# KiCad board Turbo_XT_Mainboard R3.kicad_pcb (continued)
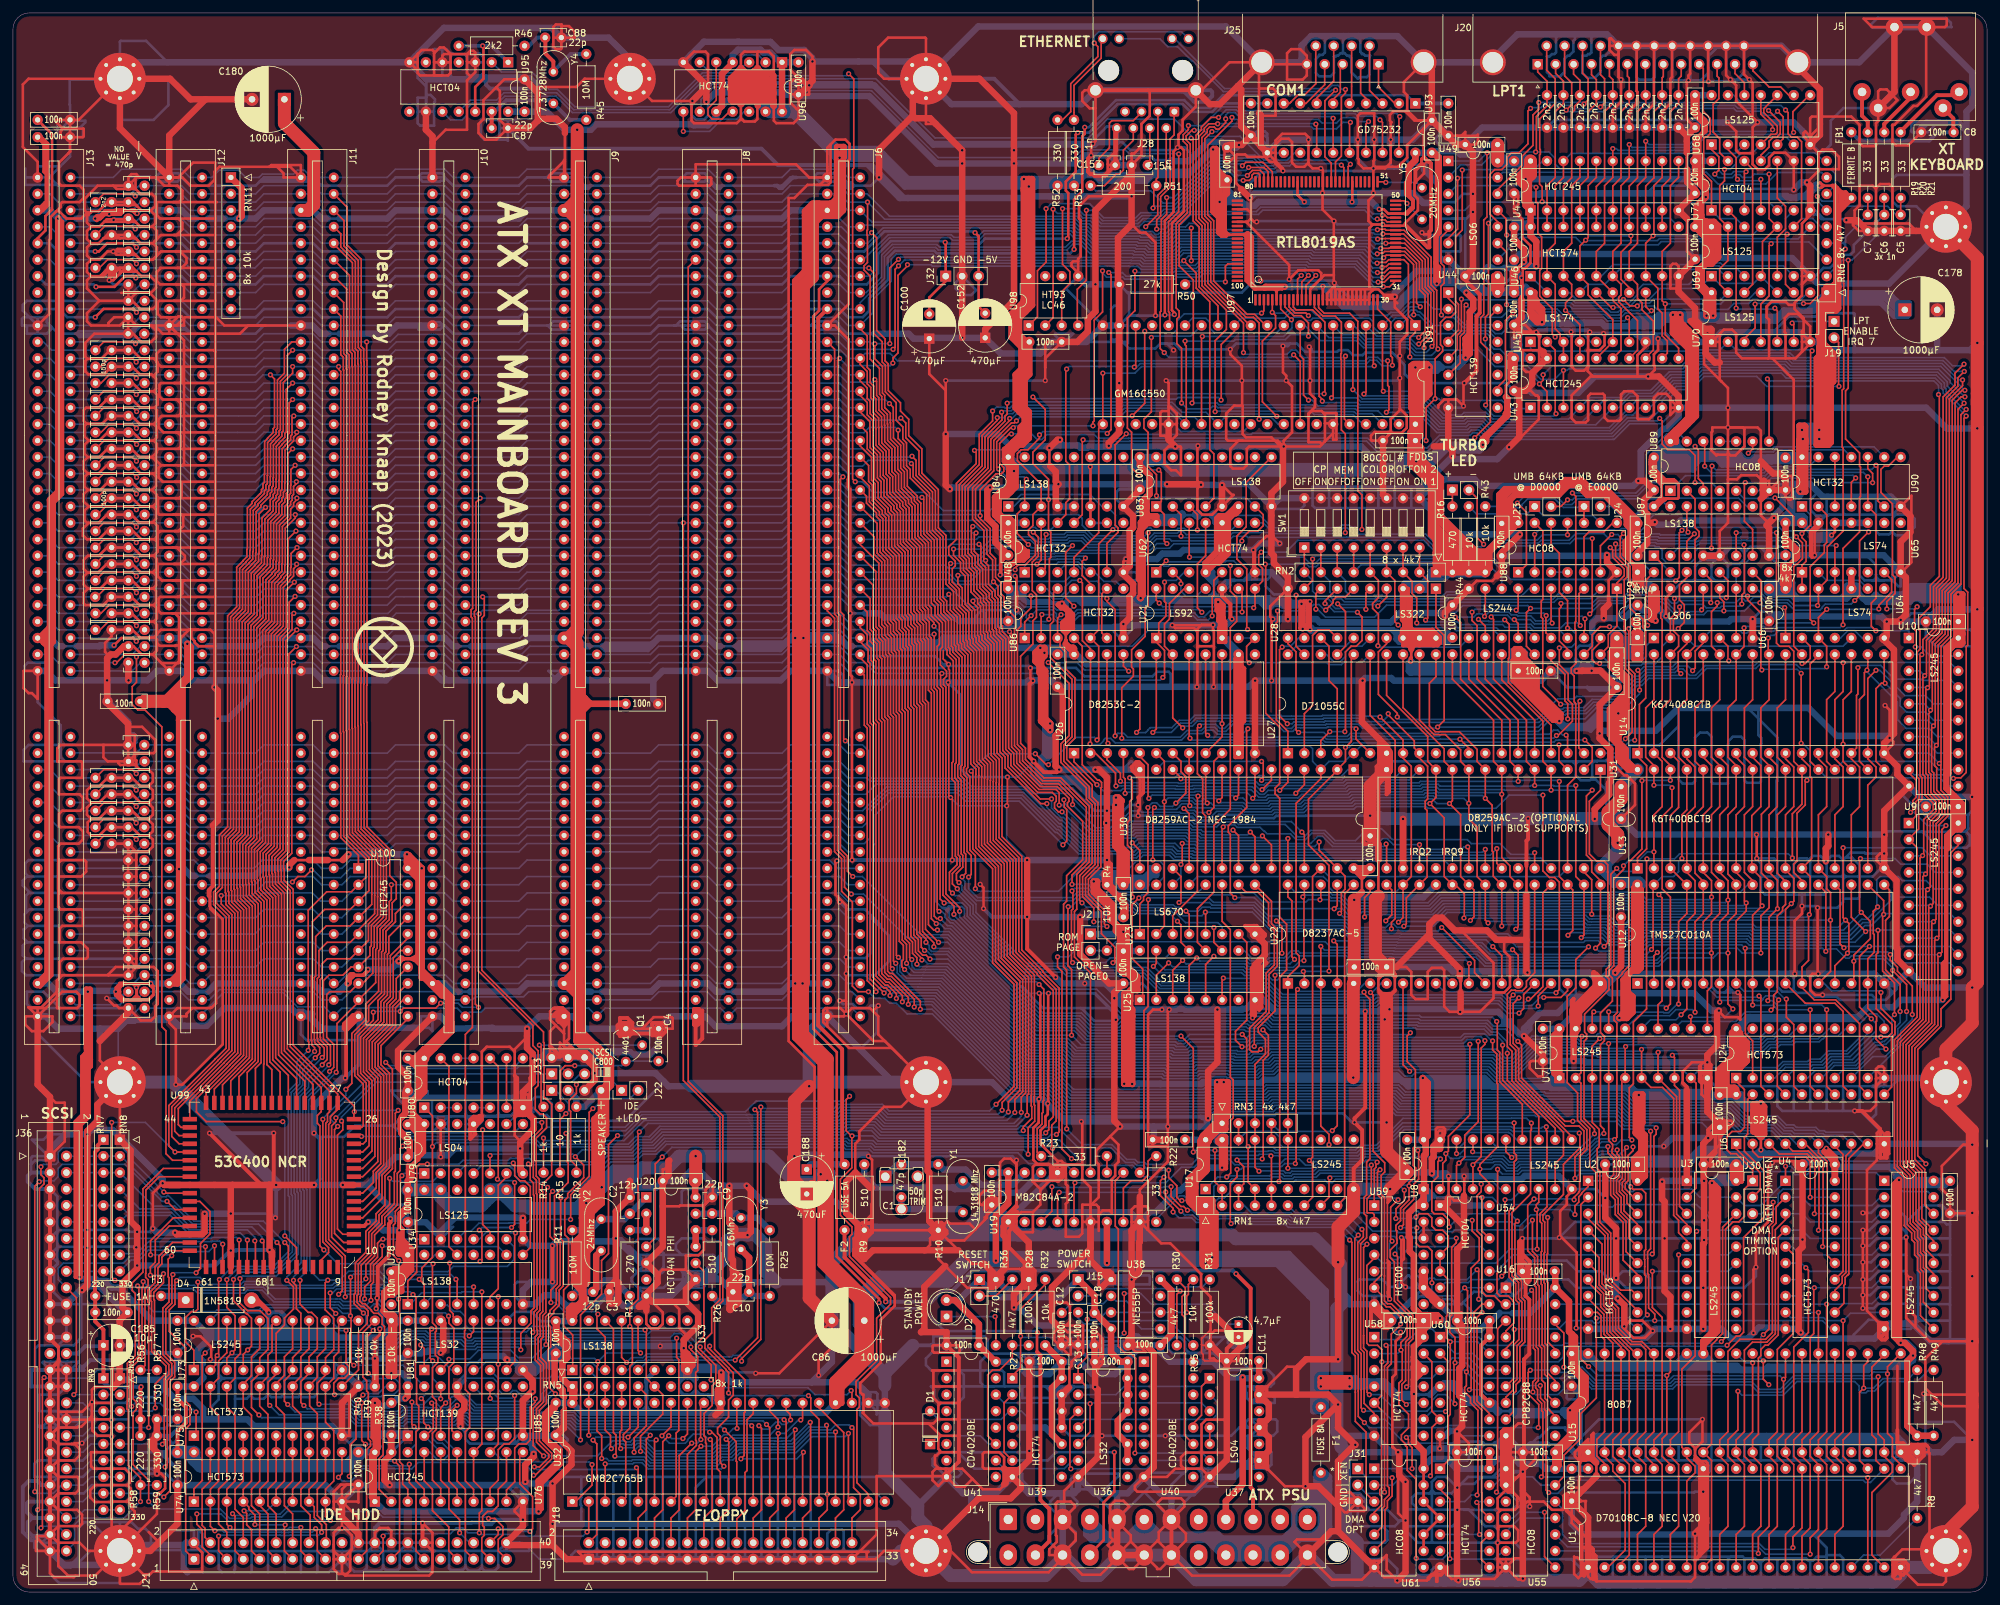
[diagram p0: board, top side]
## Routing (per net, layer and track width the routed paths; a pad name or vN(x,y) marks a point on that pad's centre or on a via; arc(x,y) is an arc through that point) (continued)
  Top w1: v1(151.76,51.18) 151.76,58.11 153.67,60.01 U19.18 ; 224.93,191.28 224.93,196.23 ; 224.93,191.28 v1(224.28,190.63) 224.28,192.63 ; 224.93,191.28 224.93,193.28 ; 224.93,196.23 224.93,194.04 ; 224.93,196.23 224.93,197.65 225.47,198.18 225.47,199.6 v1(224.41,200.66) ; 154.69,162.05 155.7,161.04 155.7,160.27 155.19,159.77 ; 154.69,162.05 155.19,161.54 ; 154.69,162.05 153.67,163.07 C92.1 153.61,165.1 152.17,166.54 152.17,167.49 ; U84.16 153.82,175.11 153.82,170.65 153.07,169.9 ; U84.16 153.67,175.01 154.11,174.56 ; U84.16 153.67,175.9 154.11,176.34 ; U84.16 153.67,174.88 154.81,173.74 154.81,170.69 153.92,169.8 ; U84.16 153.67,176.78 ; 185.19,51.59 v1(185.17,51.69) ; 185.19,51.59 185.19,59.69 ; 185.19,51.59 185.19,51.67 v1(185.17,51.69) ; v1(185.17,51.69) 185.19,50.4 ; C68.1 U58.14 ; C68.1 217.81,42.32 217.37,42.75 ; C68.1 220.34,41.91 ; U58.14 216.98,38.54 ; U58.14 217.81,40.5 219.21,41.91 220.34,41.91 ; 156.21,178.69 156.21,179.96 156.84,180.59 156.84,181.1 ; 156.21,178.69 156.21,178.44 155.32,177.55 ; 156.21,178.69 154.75,177.23 ; FB1.2 281.81,213.23 281.81,203.07 ; 218.14,68.79 218.14,69.51 U8.20 ; 218.14,68.79 218.14,70.19 218.44,70.49 ; 218.14,68.79 218.14,67.67 217.87,67.4 217.87,62.29 U8.1 217.81,60.71 ; v1(156.08,218.19) 156.08,216.41 ; v1(156.08,218.19) 156.84,217.42 v1(156.84,217.04) ; v1(156.08,218.19) 156.84,218.19 ; 156.08,216.41 156.08,199.52 ; 156.08,216.41 156.08,216.79 156.34,217.04 v1(156.84,217.04) ; 62.65,77.26 62.65,76.81 61.78,75.94 61.78,73 ; 231.77,189.48 231.77,190.75 C70.1 ; 231.77,189.48 C70.1 ; 231.77,189.48 231.77,187.96 231.27,187.45 231.27,189.1 ; 91.57,72.64 91.57,77.47 92.33,78.23 92.33,82.17 90.42,84.07 ; 91.57,72.64 91.57,70.74 ; 91.57,72.64 91.57,72.14 90.3,70.87 ; 154.75,177.23 154.56,177.04 154.56,176.78 ; 154.75,177.23 154.77,177.21 155.87,177.21 156.84,178.18 156.84,181.1 ; C72.1 281.31,66.29 280.95,66.65 280.95,66.8 279.73,68.02 279.98,68.28 279.98,68.32 ; C72.1 U4.20 281.31,67.06 ; C72.1 281.31,67.06 ; 256.73,177.61 256.67,177.67 U89.14 ; 256.73,177.61 255.97,177.61 U89.14 ; 256.73,177.61 256.73,178.5 ; 128.02,221.36 128.02,220.09 128,220.08 128,214.62 ; 128.02,221.36 128.02,221.49 ; 128.02,221.36 128.27,221.61 128.27,221.74 ; 128,214.62 126.75,213.36 J6.3 ; 128,214.62 128,214.24 126.62,212.85 ; 185.19,59.69 RN1.1 183.83,59.69 182.07,61.45 182.07,62.53 ; 185.19,59.69 185.19,60.43 185.07,60.55 182.07,60.55 182.07,59.87 184.15,57.79 ; 185.19,59.69 185.19,58.97 185.67,58.49 185.67,50.42 185.65,50.4 185.19,50.4 ; C73.1 187.45,216.03 186.94,215.52 186.94,209.93 ; C73.1 187.07,218.06 186.31,217.3 186.31,214.66 v1(186.31,214.66) 186.31,210.57 ; C73.1 185.29,220.22 v1(185.29,222.76) ; v1(51.69,93.98) 51.84,94.13 51.84,94.7 52.29,95.15 52.2,95.25 ; 263.14,57.02 263.26,57.14 263.26,62.23 262.82,62.67 ; 263.14,57.02 262.31,57.85 262.31,58.62 ; 263.14,57.02 263.14,41.78 ; 224.93,194.04 224.93,193.28 ; 224.93,194.04 224.77,194.04 224.28,193.55 224.28,192.63 ; 224.93,193.28 224.28,192.63 ; U89.14 255.78,177.67 255.46,177.99 255.46,178.12 256.79,179.45 ; U89.14 256.73,178.5 ; U89.14 255.9,178.56 256.79,179.45 ; 126.62,212.85 126.3,212.53 ; 126.62,212.85 125.09,212.85 124.59,213.36 126.11,213.36 126.62,212.85 ; C49.1 171.45,98.43 170.94,97.92 ; C49.1 170.94,99.49 170.94,100.2 ; C49.1 171.7,99.23 171.7,102.62 ; C49.1 171.45,97.41 ; C49.1 v1(171.45,101.96) 170.3,103.11 ; C49.1 171.96,99.49 171.96,100.33 ; C49.1 171.5,98.98 171.96,99.44 ; 124.46,214.38 123.44,214.38 122.3,213.23 122.3,212.6 ; 124.46,214.38 126.24,214.38 ; 124.46,214.38 124.08,214.38 122.3,212.6 ; 260.99,216.92 v1(259.71,218.2) C75.1 259.84,221.11 259.84,224.28 260.22,224.66 260.22,218.69 261.37,217.55 261.37,216.55 ; 260.99,216.92 261.22,216.7 261.22,215.26 260.66,214.7 ; 260.99,216.92 261.37,216.55 ; 172.21,90.93 172.21,90.54 172.81,89.94 172.81,88.93 ; 172.21,90.93 172.21,88.39 ; 172.21,90.93 172.21,91.44 ; v1(59.66,55.85) 59.66,54.64 60.07,54.23 ; 62.65,80.86 62.65,81.57 ; 62.65,80.86 62.1,81.41 62.1,82.42 ; 62.65,80.86 62.65,80.22 ; 62.65,81.57 U80.14 ; 62.65,81.57 61.81,81.57 C30.1 62.1,82.42 ; 61.78,73.81 61.78,71.92 62.47,71.23 ; 61.78,73.81 61.78,73 ; 61.78,73.81 61.78,73.82 ; 61.78,73.81 63.32,72.26 63.5,72.26 62.47,71.23 ; 60.58,48.89 59.94,48.26 59.94,46.48 59.18,46.48 ; 60.58,48.89 60.07,48.89 59.18,48.01 59.18,46.48 ; 60.58,48.89 61.47,49.78 61.47,52.96 60.2,54.23 60.07,54.23 ; 263.97,79.06 263.97,77.2 C44.1 ; 263.97,79.06 263.97,80.07 ; 263.97,79.06 263.97,78.8 265.94,76.84 U6.20 ; 22.73,137.54 23.62,137.54 24.13,137.03 ; 22.73,137.54 C183.1 ; 22.73,137.54 23.24,137.03 ; 232.41,170.31 231.39,170.31 230.25,169.16 230.25,165.4 C67.1 ; 232.41,170.31 238,170.31 238.12,170.18 239.65,171.7 242.19,171.7 243.59,170.31 246,170.31 250.82,165.48 C41.1 ; 232.41,170.31 230.38,170.31 229.49,169.42 229.49,162.31 229.55,162.24 ; U19.7 v1(168.91,50.8) ; v1(218.69,189.1) 218.19,188.59 218.19,184.53 ; v1(218.69,189.1) 218.69,189.23 218.31,189.61 ; v1(218.69,189.1) v1(216.53,189.1) U91.40 C71.1 ; v1(218.69,189.1) 218.31,189.48 218.31,189.61 ; v1(218.69,189.1) 218.69,185.04 218.19,184.53 ; v1(11.56,92.71) 11.43,92.58 11.43,83.95 11.68,83.69 11.56,83.57 11.53,81.63 11.53,73.44 10.29,72.2 v1(10.29,48.64) ; v1(256.29,197.23) 257.94,195.58 ; v1(256.29,197.23) 256.29,194.44 256.92,193.8 ; v1(256.29,197.23) v1(257.43,197.23) ; v1(256.29,197.23) 256.79,197.23 256.92,197.1 256.92,195.83 ; 257.94,195.58 257.94,193.68 257.49,193.23 ; 257.94,195.58 257.49,195.14 257.49,193.23 ; 257.94,195.58 258.68,194.84 ; 159.38,139.57 159.38,141.47 ; 159.38,139.57 159.38,140.08 158.75,140.71 158.75,141.73 ; 159.38,139.57 159.38,134.87 v1(160.15,134.11) ; 159.38,141.47 158.75,142.11 ; 159.38,141.47 159.38,142.24 158.75,142.87 ; 173.61,93.85 173.61,92.96 ; 173.61,93.85 172.21,92.46 172.21,91.44 ; 173.61,93.85 173.61,95 171.96,96.65 171.96,97.03 ; 173.61,92.96 172.65,92.96 ; 173.61,92.96 173.58,93 172.69,93 ; 86.99,90.81 86.99,93.34 ; 86.99,90.81 86.99,85.09 87.57,84.52 ; 86.99,90.81 86.99,92.07 J9.78 ; 86.99,93.34 87.19,93.15 ; 86.99,93.34 86.99,95.88 ; 88.65,62.61 89.15,63.12 ; 88.65,62.61 87.86,61.83 87.86,57.76 ; 88.65,62.61 88.65,58.29 88.9,58.04 ; 89.15,63.12 89.79,63.75 ; 89.15,63.12 89.15,59.94 89.6,59.5 ; 163.11,145.82 162.53,146.4 ; 163.11,145.82 163.68,145.82 163.83,145.67 U26.24 163.83,145.07 163.11,145.79 163.11,145.82 ; 191.2,202.25 191.13,202.31 191.13,209.17 190.63,209.68 ; 261.37,206.25 261.37,205.11 ; 261.37,206.25 261.37,205.25 260.85,204.73 ; 261.37,206.25 261.37,209.17 ; 261.37,205.11 260.22,203.96 ; 261.37,205.11 262.25,205.11 263.14,205.99 ; 261.37,205.11 261.37,205.23 262.25,206.12 U69.14 ; 280.67,186.56 280.29,186.18 ; 280.67,186.56 280.67,177.55 280.29,177.16 ; 280.67,186.56 281.05,186.94 281.05,191.26 280.29,192.02 ; 280.29,186.18 280.29,192.02 ; 280.29,186.18 280.29,177.16 ; 87.86,45.87 87.86,48.66 ; 87.86,45.87 87.86,44.93 86.36,43.43 ; 87.86,45.87 87.86,46.51 ; 87.86,48.66 87.12,49.4 87.12,54.36 ; 87.86,48.66 87.86,49.05 ; 87.86,48.66 87.86,55.09 ; 259.21,191.52 259.21,181.48 ; 259.21,191.52 259.21,194.31 ; 259.21,191.52 257.49,193.23 ; 259.21,181.48 258.83,181.48 256.79,179.45 ; 259.21,181.48 259.21,180.97 ; RN6.1 281.81,202.44 281.81,203.07 ; RN6.1 280.92,200.66 ; RN6.1 280.03,198.86 278.89,197.72 ; RN6.1 280.03,201.55 281.81,201.55 ; RN6.1 280.03,200.15 278.89,199.01 278.89,197.72 ; 24.89,136.27 24.89,138.81 24.86,138.84 ; 24.89,136.27 24.13,137.03 ; 24.89,136.27 25.65,135.51 25.65,134.62 ; v1(159.26,145.03) 158.5,145.03 ; v1(159.26,145.03) 158.88,144.65 158.88,144.19 158.75,144.06 ; v1(159.26,145.03) 159.26,144.57 158.75,144.06 ; v1(159.26,145.03) 159.26,145.8 v1(158.62,145.8) ; 158.5,145.03 158.5,145.67 v1(158.62,145.8) ; 158.5,145.03 158.5,143.13 ; 87.63,136.53 87.63,137.8 ; 87.63,136.53 86.99,137.16 ; 87.63,136.53 87.63,135.89 ; 87.63,137.8 87.63,144.78 J9.29 ; 87.63,137.8 86.99,137.16 ; v1(124.71,64.52) 124.71,63.42 124.77,63.36 124.77,61.99 124.71,61.93 ; v1(124.71,64.52) 124.71,81.91 124.46,81.91 120.78,85.6 v1(120.78,93.98) ; v1(124.71,64.52) 125.11,64.12 125.11,62.33 124.71,61.93 ; 251.41,67.99 251.41,70.02 ; 251.41,67.99 251.41,66.63 C34.1 ; 251.41,67.99 250.32,66.9 250.32,64.9 ; 251.41,70.02 250.57,70.87 250.57,70.99 ; 251.41,70.02 251.41,71.07 ; 250.32,64.9 250.32,64.01 U2.20 ; 250.32,64.9 250.32,65.53 C34.1 ; 62.47,71.23 62.47,66.91 ; 62.47,71.23 62.47,72.31 61.78,73 ; 172.65,92.96 171.58,91.89 ; 172.65,92.96 172.49,92.8 ; 233.55,216.79 233.55,215.01 ; 233.55,216.79 v1(233.55,218.19) 234.06,217.68 234.06,214.5 234.31,214.25 ; 233.55,216.79 232.54,217.81 232.54,218.69 234.31,220.47 U47.20 ; 233.55,215.01 234.31,214.25 ; 233.55,215.01 233.55,214.12 U47.1 ; 172.21,88.39 171.7,87.88 ; 172.21,88.39 172.21,79.12 v1(171.58,78.49) ; 87.63,95.25 86.36,93.98 ; 87.63,95.25 87.63,93.6 ; 87.63,95.25 87.63,135.89 ; 86.36,93.98 87.19,93.15 ; 86.36,93.98 J9.78 ; v1(127.57,222.82) 128.14,222.25 ; v1(127.57,222.82) 128.14,222.25 128.14,213.36 127.32,212.53 126.3,212.53 ; v1(127.57,222.82) 127.25,222.5 ; 128.14,222.25 128.02,222.12 128.02,221.49 ; 128.14,222.25 128.14,221.61 ; 216.98,38.54 216.98,43.14 216.74,43.38 ; 216.98,38.54 216.3,37.87 216.3,36.3 ; 170.3,103.11 170.79,102.62 171.7,102.62 ; 170.3,103.11 169.95,103.46 169.95,105.77 ; 170.3,103.11 169.65,103.76 169.42,103.76 169.42,105.54 166.88,108.08 v1(166.88,109.73) ; 170.3,103.11 170.3,102.12 170.94,101.47 170.94,100.2 ; 171.07,115.19 171.07,114.68 170.88,114.49 ; 171.07,115.19 171.07,122.05 171.2,122.17 170.69,122.68 v1(170.31,122.68) v1(170.31,121.54) 170.18,121.41 170.18,115.19 170.88,114.49 ; 171.07,115.19 171.07,115.06 171.96,114.17 171.96,109.73 C54.1 ; 260.85,204.73 260.75,204.64 260.75,201.84 260.82,201.77 ; 260.85,204.73 260.44,204.32 260.22,204.32 260.22,203.33 ; 87.12,54.36 87.86,55.09 ; 87.12,54.36 86.61,53.85 86.61,47.75 87.86,46.51 ; 171.96,97.03 171.96,100.33 ; 171.96,97.03 171.96,96.01 171.89,95.95 ; 172.49,91.29 172.49,89.26 172.81,88.93 ; 172.49,91.29 172.49,92.8 ; 172.49,91.29 172.49,92.8 ; 90.3,70.87 90.3,69.47 ; 90.3,70.87 90.36,70.93 90.36,73.6 ; 90.3,69.47 90.3,60.2 89.6,59.5 ; 90.3,69.47 91.57,70.74 ; 263.14,41.78 263.14,40.29 262.82,39.96 ; 263.14,41.78 263.14,40.89 262.64,40.39 ; 225.17,160.53 223.77,160.53 ; 225.17,160.53 226.06,160.53 ; 225.17,160.53 220.09,165.61 219.71,165.61 ; 223.77,160.53 222.63,160.53 ; 223.77,160.53 219.71,164.59 219.71,164.85 ; 235.08,199.11 235.2,199.24 235.2,199.48 234.9,199.78 234.9,200.66 U45.16 234.31,197.87 ; 235.08,199.11 236.09,198.1 v1(236.09,196.09) ; 235.08,199.11 235.08,198.5 236.09,197.49 v1(236.09,196.09) ; 275.84,176.28 275.84,177.93 275.97,178.05 ; 275.84,176.28 275.84,177.16 ; 275.84,176.28 275.84,170.05 v1(275.97,169.93) ; C43.1 231.77,203.82 ; 174.15,162.72 174.43,162.44 174.43,154 174.12,153.69 v1(174.12,153.47) 174.01,153.58 174.15,153.72 174.15,156.16 ; 174.15,162.72 174.15,156.16 ; 174.15,162.72 174.15,164.12 ; 174.15,164.12 174.15,165.13 174.31,165.29 174.43,165.29 174.43,168.47 175.03,169.06 175.03,169.08 ; 174.15,164.12 175.13,165.1 U62.14 ; 174.15,164.12 174.15,163.88 173.86,163.6 173.86,156.44 174.15,156.16 ; 231.27,189.1 231.27,191.01 C70.1 ; 231.27,189.1 231.27,190.12 231.65,190.5 C70.1 ; 260.22,203.96 260.22,203.33 ; 260.22,203.96 260.22,202.37 260.82,201.77 ; 267.21,85.34 266.7,84.84 266.7,81.91 ; 267.21,85.34 267.72,84.84 267.72,82.04 267.46,81.79 ; 267.21,85.34 266.65,85.9 266.65,86.28 266.06,86.87 U24.20 ; 267.21,85.34 267.21,82.04 267.46,81.79 ; 247.86,132.17 v1(247.86,135.68) 248.5,136.31 ; 247.86,132.17 247.86,131.74 ; 247.86,132.17 247.86,132.29 248.86,133.29 ; 275.84,177.16 275.97,177.29 275.97,178.05 ; 275.84,177.16 275.84,180.09 276.61,180.09 ; 86.49,214.76 J9.3 ; 86.49,214.76 87.12,215.39 87.12,212.47 87.06,212.41 ; 86.49,214.76 86.49,213.23 86.36,213.11 87.06,212.41 ; J9.3 86.11,213.36 86.55,212.92 ; J9.3 86.87,211.58 86.87,149.1 86.36,148.59 ; 262.82,62.67 v1(262.31,63.18) 262.31,58.62 ; 262.82,62.67 262.82,39.96 ; 263.14,207.77 263.14,210.82 263.27,210.95 ; 263.14,207.77 263.14,205.99 ; 263.14,207.77 263.14,209.8 262.25,210.69 U69.14 ; RN3.1 186.94,72.64 v1(186.94,78.74) ; RN3.1 186.06,73.03 186.06,78.36 186.44,78.74 v1(186.94,78.74) ; RN3.1 186.69,72.68 187.58,73.57 ; C58.1 259.97,211.07 259.97,212.47 ; C58.1 260.67,209.87 ; C58.1 260.86,210.82 ; 249.01,128.49 250.5,127 U13.32 249.43,127 247.86,128.57 247.86,129.64 ; 249.01,128.49 249.01,130.08 248.54,130.56 ; 249.01,128.49 248.51,129 ; 162.97,150.53 162.97,149 162.56,148.59 ; 162.97,150.53 162.97,150.4 162.18,149.61 ; 162.97,150.53 162.97,151.44 ; 226.06,160.53 226.19,160.66 227.96,160.66 ; 226.06,160.53 220.47,166.12 220.47,171.96 217.42,175.01 217.42,176.66 216.53,177.55 C71.1 ; 273.81,155.32 273.69,155.19 U64.14 ; 273.81,155.32 273.81,155.07 U64.14 ; 273.81,155.32 273.81,158.24 ; 86.99,137.8 86.99,139.32 ; 86.99,137.8 86.99,136.27 ; 86.99,137.8 87.25,138.05 88.26,138.05 ; 86.99,139.32 86.99,147.45 87.25,147.7 ; 86.99,139.32 88.26,138.05 ; 158.75,144.06 158.75,142.87 ; 247.86,131.02 247.86,129.64 ; 247.86,131.02 248.07,131.02 248.54,130.56 ; 247.86,131.02 247.86,131.74 ; 247.86,131.02 247.69,131.02 246.76,131.95 246.76,135.51 247.33,136.08 ; 247.86,129.64 248.51,129 ; 251.41,72.31 251.59,72.48 251.59,76.84 250.57,76.84 250.57,76.29 ; 251.41,72.31 251.41,71.07 ; 251.41,72.31 251.41,76.37 v1(251.03,76.75) 250.57,76.29 ; 280.92,200.66 281.81,201.55 ; 280.92,200.66 280.92,199.14 ; 217.37,42.75 219.89,42.75 v1(220.34,42.29) 220.34,41.91 ; 217.37,42.75 216.74,43.38 ; 59.56,52.83 59.82,52.58 ; 59.56,52.83 59.56,53.98 ; 59.56,52.83 59.56,52.34 59.63,52.27 60.09,52.27 60.66,51.7 60.66,51.24 ; 249.05,166.12 249.17,165.99 249.17,164.85 249.56,164.47 ; 249.05,166.12 250.14,165.02 C41.1 ; 249.05,166.12 245.75,169.42 243.08,169.42 241.55,170.94 240.16,170.94 238.63,169.42 231.9,169.42 231.14,168.66 231.14,167.51 ; 248.86,133.29 248.5,133.65 248.5,136.31 ; 248.86,133.29 249.17,133.6 249.17,135.84 249.15,135.87 249.15,139.55 ; U64.14 273.69,155.32 273.3,155.7 273.3,158.5 273.37,158.56 274.13,158.56 274.13,155.38 U64.14 ; 128.27,221.74 128.27,223.14 127.25,223.14 127.25,219.18 127.23,219.16 127.23,215.62 ; 128.27,221.74 128.14,221.61 ; 88.31,57.16 88.31,49.5 87.86,49.05 ; 88.31,57.16 88.31,57.45 88.9,58.04 ; 88.31,57.16 88.65,56.83 88.65,56.01 ; 261.24,200.66 261.49,200.41 v1(261.49,197.1) ; 261.24,200.66 U70.14 ; 261.24,200.66 261.75,200.15 ; 261.24,200.66 260.22,201.68 260.22,203.33 ; 217.17,33.66 U58.12 216.3,35.79 216.3,36.3 ; 217.17,33.66 216.3,34.52 216.3,34.82 ; 217.17,33.66 216.3,32.79 v1(216.3,30.58) ; 250.57,70.99 250.57,76.29 ; 250.57,70.99 251.97,69.6 ; 156.08,199.52 156.08,197.99 156.34,197.74 ; 156.08,199.52 156.08,199.26 154.18,197.36 154.18,193.8 155.7,192.28 155.7,188.85 154.81,187.96 154.81,182.88 155.45,182.25 ; v1(269.88,75.43) 269.88,70.24 ; v1(269.88,75.43) 269.37,74.93 ; v1(269.88,75.43) 269.76,75.31 268.73,75.31 268.73,73.79 ; v1(269.88,75.43) 270.38,74.93 270.38,70.74 269.88,70.24 ; 269.88,70.24 269,71.12 ; 276.73,177.67 v1(276.35,178.05) ; 276.73,177.67 276.73,176.53 ; 276.73,177.67 276.73,178.05 v1(276.35,178.05) ; v1(276.35,178.05) 275.97,178.05 ; v1(276.35,178.05) 276.61,178.31 276.61,180.09 ; v1(276.35,178.05) 276.35,170.31 v1(275.97,169.93) ; v1(276.35,178.05) 276.35,179.32 v1(276.22,179.45) ; v1(276.35,178.05) 276.35,175.39 U90.14 275.97,175.01 v1(275.97,169.93) ; 154.56,176.78 155.32,177.55 ; 154.56,176.78 154.11,176.34 ; 153.07,169.9 152.5,169.9 152.4,169.8 ; 153.07,169.9 152.4,169.8 ; 222.63,160.53 221.49,160.53 ; 222.63,160.53 219.71,163.45 219.71,163.7 ; 87.63,93.6 87.63,86.74 ; 87.63,93.6 87.19,93.15 ; 87.63,93.6 87.63,92.71 87.19,93.15 ; 90.42,84.07 90.3,84.07 87.63,86.74 ; 90.42,84.07 89.98,84.52 87.57,84.52 ; 254.38,171.83 253.37,172.85 C93.1 ; 279.53,192.79 280.16,192.15 ; 279.53,192.79 279.53,178.18 278.51,177.16 ; 279.53,192.79 279.53,197.52 279.89,197.89 ; 280.16,192.15 280.16,177.8 279.53,177.16 ; 280.16,192.15 280.29,192.02 ; 170.88,114.49 171.45,113.92 C54.1 ; 170.88,114.49 170.88,109.66 171.32,109.22 C54.1 ; v1(160.15,134.11) v1(160.15,133.1) 158.75,134.49 158.75,134.62 ; v1(160.15,134.11) 159.26,134.11 158.75,134.62 ; 50.93,113.03 v1(51.82,113.92) ; 280.56,197.89 280.92,198.25 280.92,199.14 ; 280.56,197.89 281.45,197.89 281.81,198.25 281.81,201.55 ; 280.56,197.89 279.89,197.89 ; 90.91,60.05 v1(90.91,62.51) 90.8,62.61 J1.4 ; 90.91,60.05 90.91,70.08 91.57,70.74 ; 90.91,60.05 89.79,59.06 ; 274.83,161.54 275.46,160.91 275.46,159.89 275.19,159.62 275.19,160.82 ; 274.83,161.54 274.83,161.18 275.19,160.82 ; 274.83,161.54 273.69,162.69 273.69,163.19 ; 274.83,161.54 274.77,161.6 273.69,161.6 ; 264.67,80.77 264.92,81.03 ; 264.67,80.77 264.56,80.67 264.56,76.94 264.67,76.84 ; 264.67,80.77 263.97,80.07 ; 264.92,81.03 265.62,81.72 ; 264.92,81.03 266.7,81.03 ; 273.69,161.6 274.41,161.6 275.19,160.82 ; 273.69,161.6 273.69,163.19 ; C184.1 58.42,46.99 ; C184.1 58.86,49.85 60.01,49.85 ; C184.1 59.56,49.4 60.01,49.85 ; C184.1 58.42,46.99 ; 273.69,163.19 C55.1 ; 88.65,56.01 88.65,55.25 ; 88.65,56.01 88.65,52.58 ; 88.65,56.01 88.9,56.26 88.9,58.04 ; 260.48,211.96 260.48,214.52 260.66,214.7 ; 260.48,211.96 259.97,212.47 ; 260.48,211.96 260.86,211.58 ; 24.86,138.84 25.69,139.67 ; 24.86,138.84 24.07,138.05 23.62,138.05 ; v1(166.88,109.73) 166.88,108.84 169.95,105.77 ; v1(166.88,109.73) 167.39,109.73 167.39,108.52 169.95,105.96 169.95,105.77 ; 43.43,113.03 42.67,112.27 v1(42.67,111.89) ; 175.02,166.61 175.01,167.89 175.03,167.41 175.03,169.08 ; 175.02,166.61 175.03,165.47 175.4,165.1 U62.14 ; 175.02,166.61 175.02,166.29 175.19,166.12 176.53,166.12 U62.14 ; 87.63,86.74 87.63,85.47 ; 88.9,58.04 89.31,58.51 ; v1(291.46,38.48) 292.1,38.48 293.37,37.21 v1(293.37,36.51) 292.48,35.63 292.48,25.65 R48.1 R49.1 ; v1(291.46,38.48) 291.21,38.74 v1(291.21,63.63) 290.45,62.87 290.45,39.5 v1(291.46,38.48) ; v1(250.57,149.99) 250.82,149.73 C61.1 U14.32 ; RN2.1 R16.1 R44.1 R43.1 ; RN2.1 219.71,158.88 ; RN2.1 220.34,158.12 227.96,158.12 ; 281.81,203.07 281.81,201.55 ; 278.51,177.16 279.53,177.16 ; 278.51,177.16 278.51,190.5 278.89,190.88 ; 61.35,65.65 61.51,65.49 61.51,64.05 60.96,63.5 C38.1 60.96,59.03 ; v1(257.43,197.23) 257.43,196.34 256.92,195.83 ; v1(257.43,197.23) 256.92,196.72 256.92,195.83 ; 276.73,176.53 276.73,179.96 276.61,180.09 ; 276.73,176.53 276.73,169.93 v1(275.97,169.93) ; C76.1 U60.14 ; 268.73,73.79 268.73,71.12 269,71.12 ; 268.73,73.79 268.73,74.29 269.37,74.93 ; 65.09,84.01 63.94,84.01 ; 65.09,84.01 67.69,86.61 ; 65.09,84.01 U80.14 ; 207.01,96.44 C53.1 207.08,96.53 ; 249.15,139.55 249.15,140.69 ; 249.15,139.55 249.15,138.98 248.92,138.75 ; 249.15,140.69 248.94,140.69 247.65,141.99 247.65,142.75 249.15,141.25 249.15,140.69 ; 260.67,209.87 260.86,210.06 260.86,210.82 ; 260.67,209.87 261.37,209.17 ; 262.43,39.57 260.99,38.13 U15.33 260.99,38.74 262.64,40.39 ; 262.43,39.57 262.82,39.96 ; 262.43,39.57 262.31,39.69 262.31,58.62 ; 269.37,74.93 269.37,71.5 269,71.12 ; 234.31,214.25 U47.1 ; 127.23,215.62 127.23,214.86 ; 127.23,215.62 127.23,215.18 126.43,214.38 126.24,214.38 ; 256.92,195.83 256.92,193.8 ; v1(253.62,149.99) 253.37,150.24 U66.14 ; 171.58,91.89 171.58,92.35 171.7,92.48 ; 171.58,91.89 v1(171.58,78.49) ; v1(161.96,152.64) 161.96,152.45 162.97,151.44 ; 247.86,131.74 247.33,132.27 247.33,136.08 ; 157.35,204.72 156.84,204.22 ; 156.84,204.22 U98.8 156.84,199.14 ; 156.84,204.22 v1(156.84,217.04) ; 216.28,189.61 217.17,189.61 217.3,189.48 217.3,183.64 ; 216.28,189.61 218.31,189.61 ; 216.28,189.61 216.03,189.36 215.9,189.36 215.9,182.88 216.1,182.68 216.1,179.39 215.77,179.07 215.77,174.24 218.95,171.07 218.95,163.32 219.71,162.56 219.71,162.31 ; 231.77,166.88 231.77,165.7 231.09,165.02 ; 231.77,166.88 231.14,167.51 ; 231.77,166.88 232.41,166.24 U88.14 ; J13.78 5.33,95.5 5.33,146.93 5.71,147.32 ; 62.1,82.42 63.5,83.82 ; 62.1,82.42 U80.14 ; 265.62,81.72 266.06,82.17 U24.20 ; 265.62,81.72 266.51,81.72 266.7,81.91 ; 171.89,92.2 171.89,90.43 171.7,90.25 171.7,87.88 ; 171.89,92.2 172.21,92.52 ; 171.89,92.2 171.7,92.01 ; 172.21,92.52 172.21,91.44 ; 172.21,92.52 172.69,93 ; 156.84,181.1 156.84,182.25 156.21,182.88 ; v1(186.94,78.74) v1(185.93,78.74) 185.93,71.93 185.46,71.46 187.16,71.46 187.19,71.49 187.19,73.18 187.58,73.57 ; v1(186.94,78.74) 187.58,78.74 187.58,73.57 ; U6.20 266.06,77.6 265.79,77.87 264.79,77.87 ; U6.20 264.67,76.84 ; 162.56,148.59 162.69,148.59 ; 162.56,148.59 162.18,148.97 162.18,149.61 ; 162.69,148.59 163.03,148.93 163.03,151.38 162.97,151.44 ; 162.69,148.59 162.69,149.1 162.18,149.61 ; 218.44,70.49 U8.20 ; 218.44,70.49 218.44,78.61 v1(217.68,79.38) 217.68,69.98 U8.20 ; 25.69,139.67 26.19,140.18 ; 25.69,139.67 25.69,138.59 ; 26.19,140.18 26.92,140.91 ; 26.19,140.18 26.19,94.77 25.4,93.98 J12.78 25.65,95.5 v1(25.65,111.63) 25.65,134.62 ; 266.7,81.03 266.7,81.91 ; 266.7,81.03 267.46,81.79 ; 89.31,58.51 89.31,53.25 88.65,52.58 ; 89.31,58.51 89.79,59.06 ; U26.11 U26.14 ; U27.26 C65.1 232.41,141.13 238.36,135.18 238.36,134.89 v1(238.76,134.49) ; 87.86,49.05 87.38,48.56 87.38,46.99 87.86,46.51 ; 171.7,102.62 171.96,102.62 171.96,100.33 ; 128.19,33.61 130.43,35.85 130.43,46.36 ; 219.71,160.53 219.71,161.54 ; 219.71,160.53 220.73,160.53 ; 219.71,160.53 226.19,160.53 226.57,160.15 ; 219.71,160.53 219.71,160.27 ; 219.71,161.54 220.73,160.53 ; 219.71,161.54 219.71,162.94 ; 62.1,111.76 v1(63.12,111.76) ; 62.1,111.76 U100.20 ; 62.1,111.76 62.23,111.76 63.12,110.87 ; 62.1,111.76 61.09,112.78 60.83,112.78 ; v1(63.12,111.76) 63.12,110.87 ; v1(63.12,111.76) 61.09,113.79 60.83,113.79 ; 219.71,163.7 219.71,164.85 ; 219.71,163.7 219.71,162.94 ; 154.11,173.16 154.11,169.99 153.92,169.8 ; 154.11,173.16 154.11,173.67 153.16,174.62 153.16,176.4 153.29,176.4 153.67,176.78 ; 154.11,173.16 154.11,174.56 ; 158.5,143.13 158.5,141.99 158.75,141.73 ; 158.5,143.13 157.86,143.76 157.86,145.03 v1(158.62,145.8) ; 62.61,97.66 62.61,110.11 U100.20 ; 172.81,88.93 v1(172.81,78.45) 172.78,78.49 v1(171.58,78.49) ; 220.73,160.53 221.49,160.53 ; 251.41,71.07 251.97,70.52 251.97,69.6 ; C63.1 231.77,208.92 233.3,207.39 233.3,205.49 ; 281.31,67.06 280.29,68.07 ; 186.31,210.57 186.94,209.93 ; 186.31,210.57 186.31,209.93 186.94,209.93 ; 171.7,87.88 171.7,78.61 v1(171.58,78.49) ; 171.7,87.88 171.7,92.01 ; 251.97,64.26 251.97,65.15 ; 251.97,64.26 251.46,64.26 250.82,64.9 C34.1 ; 251.97,64.26 251.21,63.5 U2.20 ; 251.97,65.15 251.97,69.6 ; 251.97,65.15 251.71,65.15 C34.1 ; 215.39,153.67 215.65,153.42 215.65,149.1 ; 171.7,92.01 171.7,92.48 ; 171.7,92.48 172.17,92.48 172.49,92.8 ; C31.1 240.66,34.54 241.11,34.1 ; C31.1 240.66,39.83 ; C31.1 241.17,36.83 ; 23.24,137.03 24.13,137.03 ; 23.24,137.03 20.11,137.03 C183.1 ; 24.13,137.03 25.69,138.59 ; 88.26,138.05 89.03,137.29 89.03,137.16 ; 154.11,175.58 154.11,176 155.32,177.2 155.32,177.55 ; 154.11,175.58 154.11,176.34 ; 154.11,175.58 154.11,174.56 ; 132.46,44.32 131.44,45.34 ; 132.46,44.32 132.46,45.21 131.57,45.21 130.75,46.04 ; 132.46,44.32 132.46,36.07 127.89,31.5 127.89,29.21 U32.24 ; 240.66,39.83 240.25,40.24 240.25,44.86 U16.20 238.12,49.45 C83.1 ; 240.66,39.83 240.71,39.83 241.17,39.37 241.17,34.67 ; 248.51,129 248.54,129.03 248.54,130.56 ; 61.78,73 C33.1 ; C70.1 231.77,187.58 ; 249.32,95.34 249.32,95.15 248.67,94.49 248.67,89.28 248.48,89.09 ; 249.32,95.34 249.32,92.61 ; 249.32,95.34 249.94,95.95 250,95.95 ; v1(216.3,30.58) 216.3,23.22 217.81,21.72 U61.14 ; v1(216.3,30.58) 216.3,34.82 ; 231.14,167.51 231.09,167.47 231.09,165.02 ; 261.37,209.17 261.37,209.93 U69.14 ; 279,197.13 279,197.61 278.89,197.72 ; 279,197.13 279,193.44 ; 279,197.13 279.13,197.13 279.89,197.89 ; 87.57,84.52 88.58,84.52 87.63,85.47 ; 63.5,83.82 U80.14 ; 63.5,83.82 64.64,83.82 67.18,86.36 67.18,91.57 66.61,92.14 ; 63.5,83.82 63.5,83.69 67.69,87.88 67.69,86.61 ; U80.14 63.5,77.3 62.65,76.45 62.65,80.22 ; 257.87,179.64 256.73,178.5 ; 257.87,179.64 258.68,180.44 258.68,194.84 ; 257.87,179.64 259.21,180.97 ; 231.09,165.02 230.63,164.56 230.63,163.32 ; 231.09,165.02 232.33,165.02 U88.14 ; 231.09,165.02 C67.1 ; 171.45,97.41 171.45,96.39 171.89,95.95 ; 171.45,97.41 170.94,97.92 ; 216.3,34.82 216.3,36.3 ; 206.38,32.26 202.06,32.26 201.93,32.38 ; 206.38,32.26 v1(206.38,31.75) v1(201.93,31.75) 201.93,32.38 ; 206.38,32.26 v1(206.38,33.02) v1(201.93,33.02) 201.93,32.38 ; 248.92,138.75 248.5,138.33 ; 248.92,138.75 248.92,136.74 248.5,136.31 ; 218.19,184.53 217.3,183.64 ; v1(60.83,113.92) 60.83,113.79 ; 60.83,113.79 60.83,112.78 ; 259.97,212.47 259.97,214.01 260.66,214.7 ; 172.49,92.8 172.69,93 ; U88.14 230.63,163.32 ; 230.63,163.32 229.55,162.24 ; 185.61,158.94 U62.4 184.15,158.88 185.93,160.66 185.93,165.74 186.31,166.12 187.39,166.12 188.91,167.64 U83.6 189.23,167 188.83,166.6 188.51,166.6 187.58,165.67 187.58,160.4 186.12,158.94 185.61,158.94 ; 185.61,158.94 186.69,160.02 U62.10 ; 258.68,194.84 259.21,194.31 ; 217.81,60.71 U59.14 216.67,59.69 ; 217.81,60.71 216.79,59.69 216.67,59.69 ; 158.75,141.73 158.75,142.11 ; 25.69,138.59 25.69,134.65 25.65,134.62 ; 87.63,211.58 87.63,148.46 ; U69.14 261.49,211.58 ; U69.14 260.86,210.82 ; 63.12,110.87 63.12,97.92 ; 85.85,42.8 86.36,42.29 U33.16 ; 85.85,42.8 85.85,42.42 U33.16 ; 85.85,42.8 85.85,43.69 86.36,44.2 87.21,44.2 87.36,44.34 ; 87.38,146.3 87.44,146.24 ; 87.38,146.3 87.38,147.7 ; 87.38,146.3 87.38,139.19 ; 60.07,54.23 60.96,53.34 U78.16 60.96,50.8 60.01,49.85 ; J13.29 5.71,147.32 ; 57.18,43.44 57.79,42.83 58.64,42.83 58.87,42.6 58.87,41.27 ; v1(120.78,93.98) v1(120.78,147.32) ; v1(120.78,93.98) v1(121.92,93.98) ; v1(120.78,147.32) v1(122.05,147.32) ; v1(120.78,147.32) 120.78,202.44 122.3,203.96 122.3,212.6 ; v1(262.51,197.1) 262.51,200.41 U70.14 ; v1(262.51,197.1) 262.25,197.36 262.25,197.87 ; v1(262.51,197.1) v1(261.49,197.1) ; 219.71,158.88 227.33,158.88 ; 219.71,158.88 220.22,159.38 227.33,159.38 ; 219.71,158.88 219.71,160.27 ; 234.31,197.87 234.31,197.1 235.33,196.09 v1(236.09,196.09) ; 234.31,197.87 v1(236.09,196.09) ; 259.21,180.97 259.84,181.61 259.84,193.68 259.21,194.31 ; 250,95.95 250.89,95.95 251.33,96.39 251.33,108.46 250.82,108.97 U12.32 ; 250,95.95 250.82,96.77 U12.32 ; 250,95.95 250.32,96.27 250.32,108.71 U12.32 ; 227.96,160.66 227.96,158.12 ; 227.96,160.66 229.55,162.24 ; 227.96,158.12 R43.1 ; 230.5,181.48 230.5,181.93 230.74,182.16 230.74,182.9 ; 230.5,181.48 230.74,181.71 230.74,182.9 ; 230.5,181.48 227.58,178.56 ; 216.67,59.69 215.52,58.54 215.52,54.86 215.66,54.73 215.66,52.57 216.3,51.92 216.3,43.82 216.74,43.38 ; U100.20 60.83,111.89 60.83,112.78 ; 63.12,97.92 63.12,96.39 ; 63.12,97.92 62.99,97.79 61.98,97.79 ; C41.1 250.82,162.18 249.68,161.04 249.56,161.04 ; 219.71,164.85 219.71,165.61 ; 219.71,165.61 219.71,171.58 v1(216.66,174.62) 216.54,174.75 C71.1 ; 87.38,139.19 87.38,136.65 86.99,136.27 ; 87.38,139.19 87.38,138.43 88.65,137.16 ; 124.9,212.53 123.57,211.2 123.44,211.2 ; 124.9,212.53 126.3,212.53 ; 124.9,212.53 J6.3 ; 260.66,212.67 260.66,212.1 261.17,211.58 ; 260.66,212.67 260.66,211.78 260.86,211.58 ; 260.66,212.67 260.66,214.7 ; 171.89,95.95 173.1,94.74 173.1,93.41 172.69,93 ; 154.43,177.55 155.45,178.56 155.57,178.56 155.57,179.83 156.21,180.47 156.21,181.48 ; 154.43,177.55 155.32,177.55 ; 154.43,177.55 153.67,176.78 ; 5.71,147.32 5.71,168.63 6.98,169.9 v1(6.98,212.09) ; 175.03,169.08 175.49,169.54 175.49,172.45 173.99,173.95 C39.1 ; 279,193.44 279,193.76 278.73,194.02 278.89,194.18 278.89,197.72 ; 279,193.44 279,192.32 278.89,192.22 278.89,190.88 ; 248.5,136.31 248.5,138.33 ; 279.89,197.89 280.63,198.63 280.92,198.63 280.92,199.14 ; 58.42,39.5 v1(58.42,33.78) 58.04,34.16 ; 58.42,39.5 58.04,39.12 58.04,34.16 ; 58.42,39.5 R38.2 ; 88.65,52.58 88.65,47.79 88.37,47.52 ; 278.89,190.88 v1(278.89,178.05) ; 261.37,216.55 v1(261.37,215.41) 260.66,214.7 ; 89.03,137.16 86.99,135.13 ; 89.03,137.16 C179.1 ; 89.03,137.16 88.9,137.16 87.63,135.89 ; 89.03,137.16 88.65,137.16 ; 86.99,135.13 86.99,136.27 ; 86.99,135.13 86.99,95.88 ; 263.97,80.07 263.52,79.63 C44.1 ; 215.26,215.9 215.26,217.53 215.52,217.79 215.52,220.09 216.53,221.11 U93.20 216.53,221.62 ; 127.23,214.86 126.75,214.38 126.24,214.38 ; 127.23,214.86 J6.3 ; 152.17,167.49 152.17,169 152.49,169.32 ; 152.17,167.49 152.17,169.57 152.4,169.8 ; U33.16 86.36,42.71 88.37,44.72 88.37,45.36 87.36,44.34 ; U33.16 86.36,43.43 ; 261.17,211.58 262.64,211.58 263.27,210.95 ; 261.17,211.58 261.49,211.58 ; 260.82,201.77 261.93,200.66 U70.14 ; 87.36,44.34 86.45,43.43 86.36,43.43 ; 88.65,137.16 88.65,136.91 87.63,135.89 ; 26.92,140.91 v1(26.92,146.43) 27.43,145.92 27.43,141.41 27.27,141.26 ; 26.92,140.91 27.27,141.26 ; v1(300.35,154.05) 300.06,153.75 300.06,147.37 300.1,147.32 U10.20 ; v1(300.35,154.05) C56.1 U10.20 ; v1(300.35,154.05) 300.99,154.05 300.99,147.96 ; 128.02,221.49 v1(127.63,221.49) 127.63,215.26 J6.3 ; 128.02,221.49 128.14,221.61 ; 128.02,221.49 128.14,221.36 ; 27.27,141.26 26.83,141.26 23.62,138.05 ; 156.34,197.74 155.34,196.75 155.34,194.16 156.46,193.04 C97.1 156.93,188.04 156.21,187.32 156.21,182.88 ; 156.34,197.74 156.84,198.25 ; 86.36,148.59 87.25,147.7 ; 86.36,148.59 J9.29 ; 158.75,142.11 158.75,142.87 ; 227.33,159.38 227.33,160.42 229.87,162.96 C67.1 ; 227.33,159.38 227.33,158.88 ; 227.33,159.38 226.57,160.15 ; 170.94,97.92 170.94,96.14 171.6,95.48 172.17,95.48 172.95,94.7 172.95,93.26 172.69,93 ; 170.94,97.92 170.94,100.2 ; J9.78 86.99,95.88 ; 156.84,199.14 156.84,199.01 154.56,196.72 154.56,194.27 156.21,192.62 156.21,188.47 155.45,187.71 155.45,182.25 ; 156.84,199.14 156.84,198.25 ; 208.28,108.08 v1(207.09,106.89) ; RN11.1 35.32,216.77 35.32,212.49 v1(34.92,212.09) ; U10.20 300.99,147.96 ; U47.1 U46.20 234.31,209.42 235.2,208.53 v1(235.2,204.72) ; U70.14 261.75,200.15 ; U70.14 262.25,197.87 ; 261.75,200.15 261.75,197.36 v1(261.49,197.1) ; 155.45,182.25 156.21,181.48 ; 279.53,177.16 280.29,177.16 ; v1(156.84,217.04) 156.84,218.19 ; 86.99,137.16 86.99,136.27 ; 264.67,76.84 263.6,76.84 C44.1 ; 89.79,63.75 89.79,59.06 ; 89.79,63.75 89.79,73.03 90.36,73.6 ; 241.17,34.67 241.3,34.67 242.82,33.15 242.82,29.59 241.17,27.94 241.17,24 238.63,21.46 238.63,19.56 U55.14 C64.1 238.12,21.91 240.41,24.2 v1(240.41,28.07) 242.17,29.82 242.17,33.04 241.11,34.1 ; 241.17,34.67 241.17,34.16 241.11,34.1 ; 300.99,147.96 300.99,146.56 300.74,146.3 299.59,146.3 299.16,145.87 ; 248.48,89.09 249.32,89.94 249.32,92.61 ; 248.48,89.09 v1(248.03,88.65) 249.17,88.65 250.06,89.53 250.06,91.95 249.98,91.95 249.32,92.61 ; 153.9,158.6 153.54,158.24 153.54,156.21 153.67,156.08 C36.1 ; 256.92,193.8 257.49,193.23 ; 227.33,158.88 R43.1 ; 230.74,182.9 230.74,184.3 230.5,184.53 ; 67.69,86.61 67.69,91.82 65.53,93.98 65.15,93.98 63.12,96.01 63.12,96.39 ; 152.4,169.8 152.49,169.32 ; 152.4,169.8 151.64,169.04 151.64,166.32 152.91,165.05 152.91,163.07 155.19,160.78 155.19,160.4 ; 261.22,225.66 261.22,226.86 261.11,226.96 261.11,227.2 259.71,228.6 C51.1 ; 66.61,92.14 J10.78 63.12,95.63 63.12,96.39 ; 66.61,92.14 66.24,92.14 63.5,94.87 63.12,94.87 63.12,96.39 ; C44.1 263.27,77.01 263.27,80.52 265.43,82.68 265.43,86.36 U24.20 ; 221.49,160.53 219.71,162.31 ; U2.20 C34.1 ; J1.4 90.8,74.04 90.36,73.6 ; J1.4 91.65,78.32 91.65,81.95 88.14,85.47 87.63,85.47 ; v1(184.15,50.8) 184.55,50.4 185.19,50.4 ; C34.1 250.44,66.42 ; 263.27,210.95 263.27,206.12 263.14,205.99 ; 124.71,61.93 124.71,50.55 130.54,44.72 130.54,35.96 ; 156.21,181.48 156.21,182.88 ; 227.46,178.56 227.46,177.67 v1(226.95,177.16) 226.95,177.93 ; 227.46,178.56 226.95,178.05 226.95,177.93 ; 227.46,178.56 227.58,178.56 ; 185.19,50.4 184.15,51.44 184.15,52.45 ; 58.42,46.99 58.42,46.36 57.97,45.9 58.6,45.9 59.18,46.48 ; 247.33,136.08 247.78,136.53 247.78,137.61 248.5,138.33 ; 158.75,134.62 158.75,142.87 ; 261.49,211.58 260.86,211.58 ; 62.65,80.22 62.65,80.73 ; v1(250.95,155.45) 250.82,155.57 RN4.1 ; 153.92,169.8 153.45,169.32 152.49,169.32 ; U96.10 109.47,229.49 109.47,234.44 111.12,236.09 U96.4 ; 87.86,57.76 87.86,55.09 ; 87.86,57.76 89.6,59.5 ; C95.1 105.33,61.04 U20.14 ; v1(81.15,12.45) 81.15,17.12 84.07,20.04 84.07,21.74 82.17,23.65 82.17,27.43 83.82,29.08 C96.1 ; C69.1 248.28,124.46 ; 260.86,210.82 260.86,211.58 ; 87.38,147.7 87.25,147.7 ; 87.38,147.7 87.38,148.59 ; 87.38,147.7 85.47,147.7 J9.29 ; v1(60.59,29.9) 60.96,30.27 U85.16 ; 262.82,40.57 262.64,40.39 ; C91.1 83.82,40.39 85.47,38.74 85.6,38.74 85.6,36.19 84.84,35.43 84.84,32.95 86.04,31.75 RN5.1 U32.40 ; 219.71,162.31 219.71,162.94 ; U28.3 214.63,150.2 214.97,149.85 214.97,148.8 214.63,148.45 U28.18 215.9,146.05 215.9,145.67 ; C71.1 217.3,178.56 217.3,183.64 ; v1(196.34,201.55) 193.42,201.55 193.29,201.42 ; 226.57,160.15 219.84,160.15 219.71,160.27 ; 58.04,34.16 58.04,33.4 58.87,33.4 ; 23.62,138.05 20.11,138.05 C183.1 ; 262.25,197.87 v1(261.49,197.1) ; C85.1 229.36,203.2 229.79,202.77 229.79,201.09 229.36,200.66 U44.16 ; C85.1 U44.16 ; C85.1 228.73,203.2 228.73,201.17 U44.16 ; U96.1 U96.14 ; 226.95,177.93 227.58,178.56 ; U76.1 55.71,14.14 55.71,21.42 U76.20 56.03,21.74 56.03,29.06 v1(55.88,29.21) ; 156.84,198.25 157.35,198.75 157.35,218.19 156.84,218.19 ; C82.1 U56.14 ; 87.06,212.41 87.63,211.84 ; 45.72,113.03 48.64,113.03 ; v1(59.56,97.41) 59.94,97.79 ; U65.4 283.84,154.94 ; 266.06,64.52 U3.20 265.94,63.5 265.56,63.88 265.56,65.79 265.81,66.04 C32.1 266.06,64.52 ; 238,80.14 U7.1 U7.20 238.76,86.74 238,85.98 238,80.14 ; U30.28 C74.1 208.28,110.49 U30.28
  Top w2: v1(105.41,67.31) 105.41,63.58 C95.1 ; 87.12,217.3 87.12,214.97 85.51,213.36 J9.3 ; 87.12,217.3 v1(87.12,225.81) ; 87.12,217.3 87.12,148.22 86.22,147.32 ; 86.22,147.32 J9.29 ; 86.22,147.32 87.09,146.45 87.09,95.62 85.45,93.98 J9.78 ; 247.65,142.75 C50.1 U29.20 ; v1(206.95,79.44) 206.95,93.92 U22.5 207.09,94.06 C53.1 207.09,97.65 207.09,105.2 v1(207.09,106.89) ; v1(184.15,50.8) RN1.1 182.93,59.69 182.07,60.55 182.07,63.58 183.85,65.35 183.85,69.55 U17.20 184.15,70.15 186.39,72.39 RN3.1 ; v1(233.55,218.19) 234.31,218.95 U47.20 ; v1(247.78,115.7) 247.78,116.97 246.28,118.46 246.28,120.43 248.28,122.43 C69.1 ; C180.1 41.91,226.82 46.45,222.28 46.45,214.23 45.58,213.36 J11.3 ; C62.1 U49.14 ; U32.24 127,32.42 131.44,36.87 C86.1 131.44,45.34 125.73,51.05 v1(125.73,63.5) 125.73,82.3 121.92,86.11 v1(121.92,93.98) 122.05,94.11 v1(122.05,147.32) 122.05,201.68 123.44,203.07 123.44,212.22 124.59,213.36 J6.3